# KiCad board imx8x_eps_leviathan.kicad_pcb (continued)
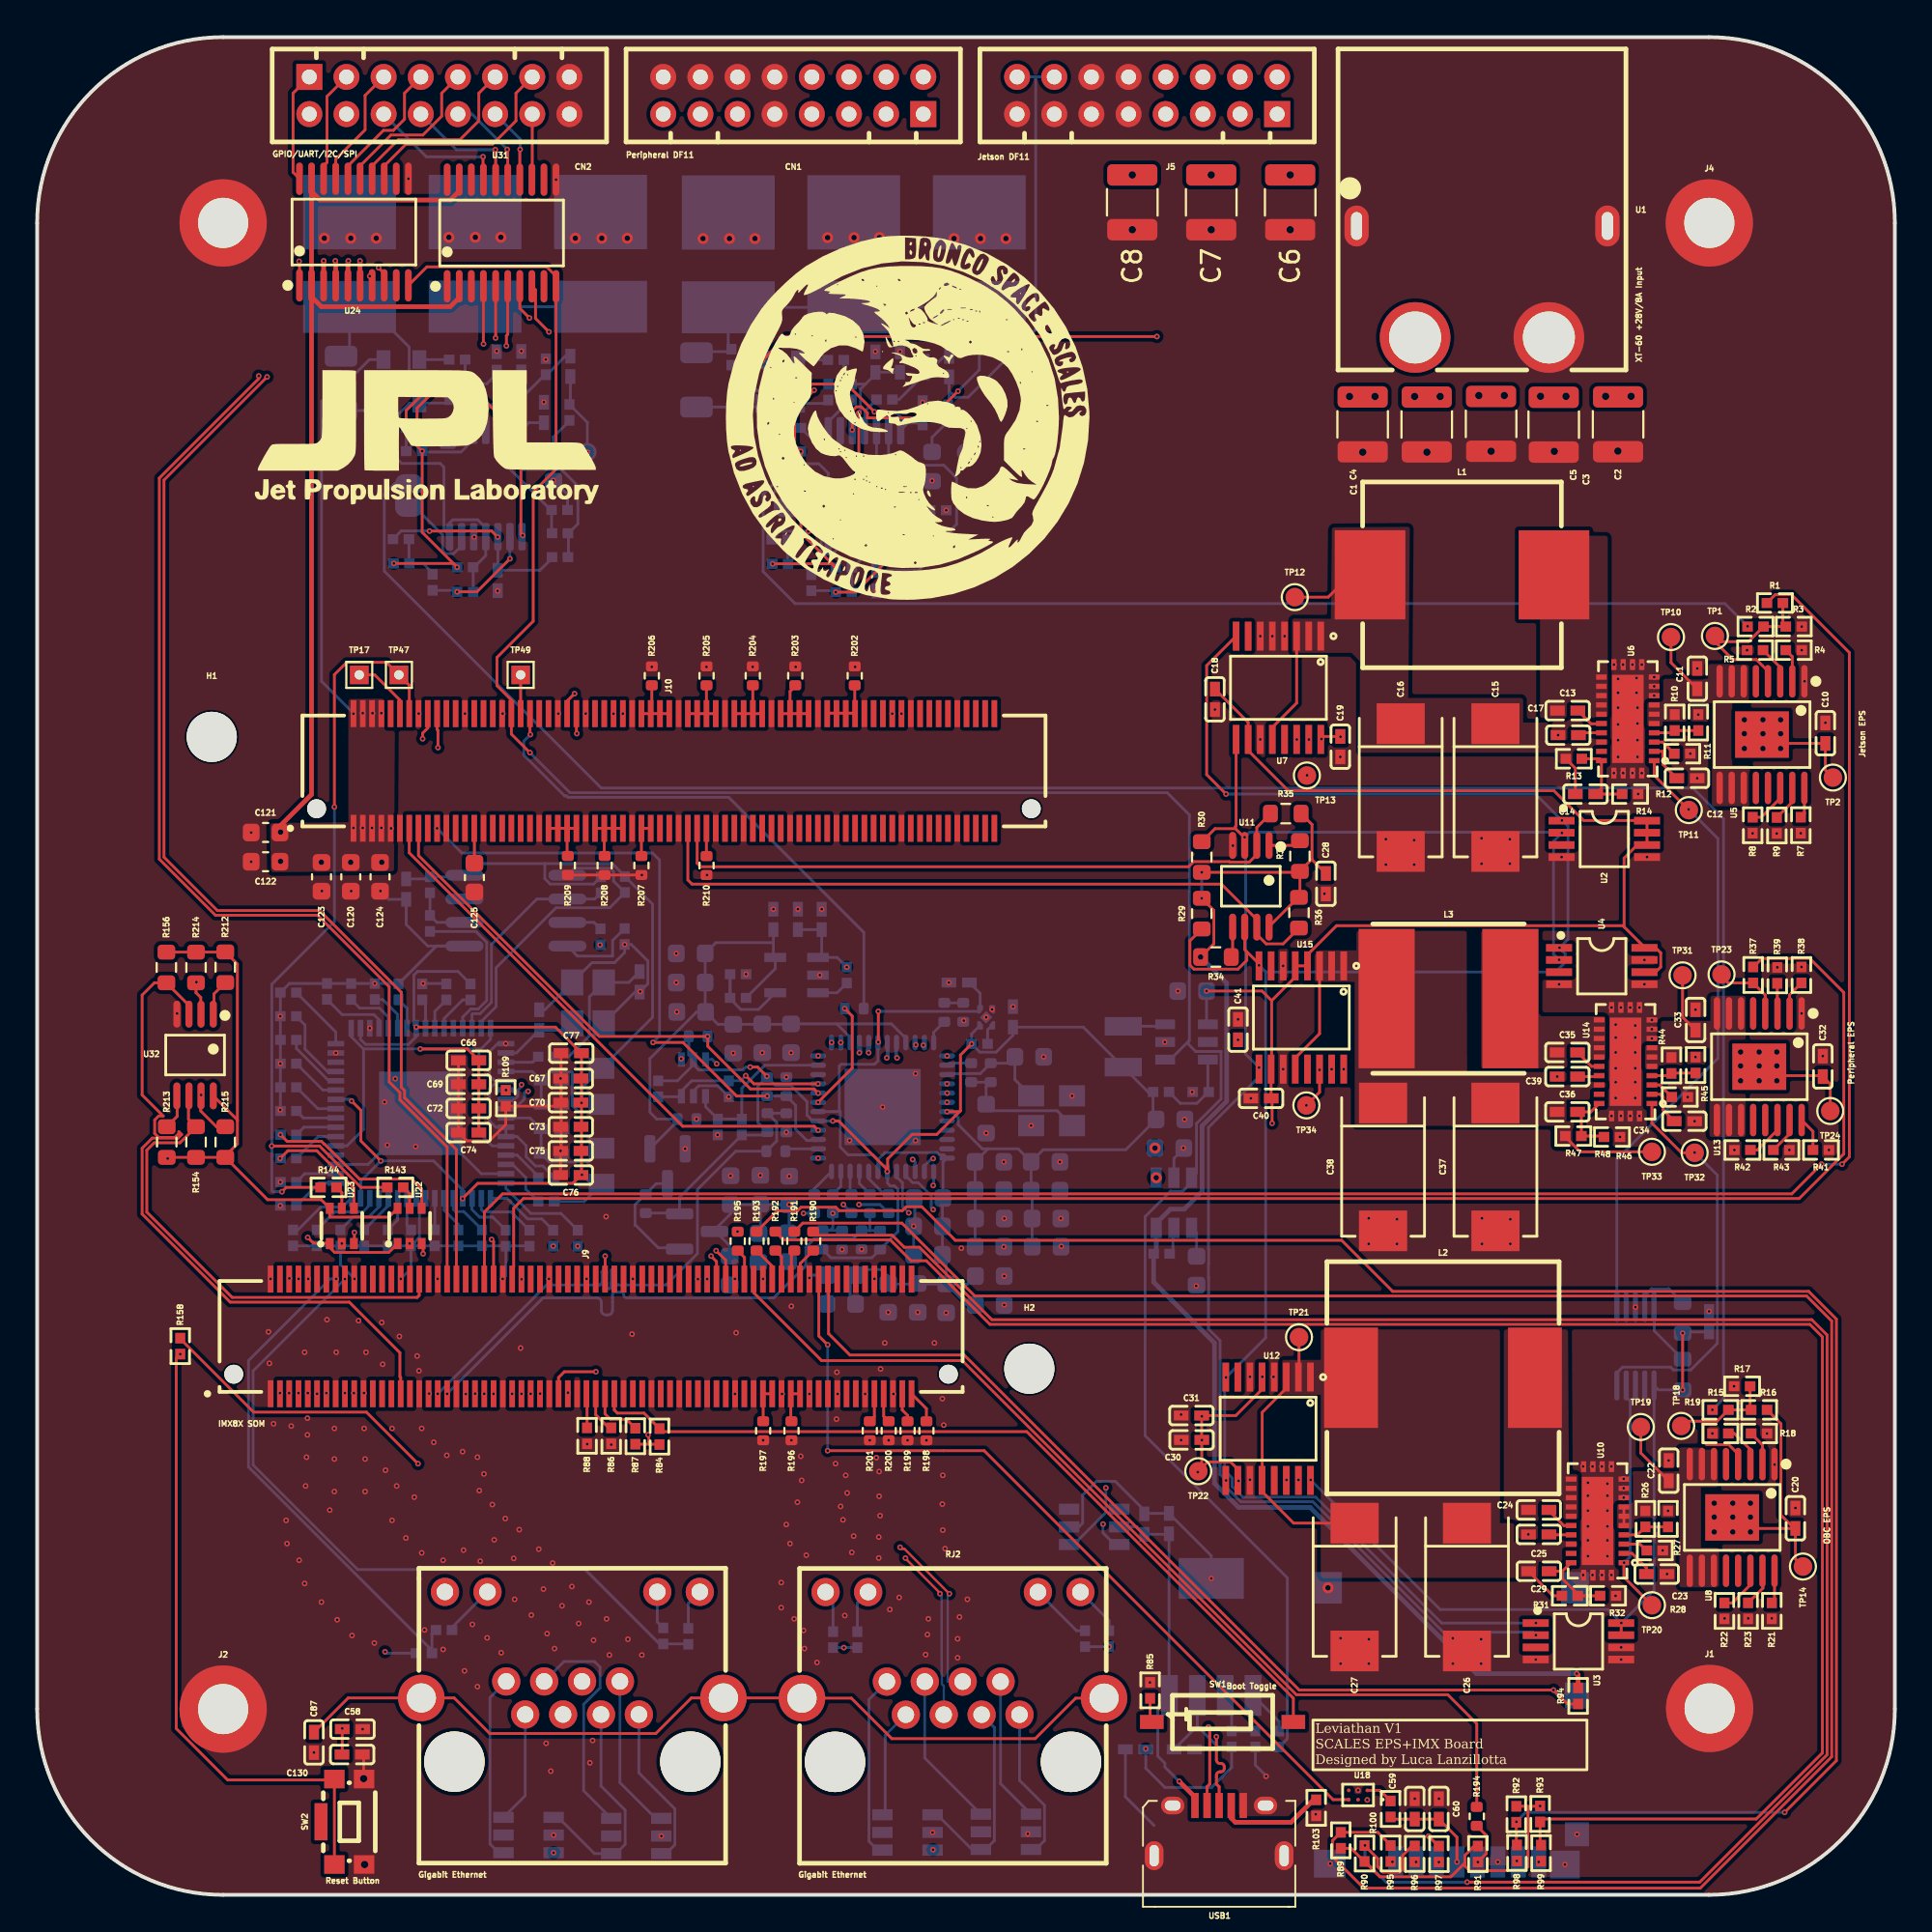
[diagram p0: board, top side]
## Routing (per net, layer and track width the routed paths; a pad name or vN(x,y) marks a point on that pad's centre or on a via; arc(x,y) is an arc through that point) (continued)
  SIG3 w0.15: U17.11 44.54,72.08 43.86,71.4 R82.2 ; 42.59,80.44 42.43,80.29 D9.1 40.43,80.29 39.47,79.32 39.47,77.57 40.01,77.04 42.08,77.04 42.59,76.53 U17.14 42.59,73.83 42.76,74 44.1,74 44.54,73.57 44.54,73.07
Net-(J9-A13): length 2
  SIG1 w0.15: 41.08,32.98 41.08,33.99 R190.2
Net-(J9-A14): length 1.6
  SIG1 w0.15: R191.2 40.6,34.53 40.6,33.13
Net-(J9-A15): length 1.7
  SIG1 w0.15: 40.08,33.13 40.08,34.35 R192.2
Net-(J9-A16): length 1.9
  SIG1 w0.15: R193.2 39.6,33.81 39.6,33.16
Net-(J9-A18): length 53.8
  SIG1 w0.15: R194.2 77.5,9.21 75.94,10.77 67.79,10.77 49.8,28.76 42.22,28.76 38.58,32.41 38.58,33.18
Net-(J9-A19): length 1.5
  SIG1 w0.15: R195.2 38.08,34.31 38.08,33.31
Net-(J9-B1): length 1.8
  SIG1 w0.15: R198.2 47.87,26.17 J9.02
Net-(J9-B2): length 1.6
  SIG1 w0.15: R199.2 46.85,25.81 46.57,26.1 J9.04
Net-(J9-B4): length 1.6
  SIG1 w0.15: R200.2 45.57,25.76 J9.08
Net-(J9-B5): length 1.6
  SIG1 w0.15: J9.10 45.07,25.74 R201.2
Net-(J9-B13): length 2
  SIG1 w0.15: J9.26 J9.28 40.57,25.53 R196.2
Net-(J9-B16): length 2
  SIG1 w0.15: J9.32 J9.34 39.08,26.96 R197.2
Net-(J10-C16): length 2.9
  SIG1 w0.15: 42.56,63.61 44.01,63.61 44.01,63.61 R202.2
Net-(J10-C21): length 3.1
  SIG1 w0.15: J10.45 40.53,64.78 40.83,65.08 ; J10.47 41.54,63.58
Net-(J10-C26): length 2.9
  SIG1 w0.15: 38.52,63.69 38.52,63.69 R204.2 ; J10.57 39.03,63.58
Net-(J10-C31): length 3
  SIG1 w0.15: J10.63 36.03,65.11 36.03,65.11 ; J10.67 36.54,63.58
Net-(J10-C36): length 3
  SIG1 w0.15: 33.08,63.66 33.09,63.66 R206.2 ; J10.77 34.05,63.58
Net-(J10-D32): length 1.5
  SIG1 w0.15: 36.03,55.94 36.03,55.94 J10.64
Net-(J10-D38): length 2
  SIG1 w0.15: 33.06,57.44 33.03,57.41 J10.78 32.53,55.97 32.53,55.96
Net-(J10-D41): length 3.1
  SIG1 w0.15: J10.88 31.56,57.41 31.59,57.39 ; J10.86 30.53,55.96 30.57,55.91
Net-(J10-D46): length 3.1
  SIG1 w0.15: 29.1,57.44 29.07,57.41 J10.98 ; 28.54,55.91 28.53,55.92 J10.94
Net-(JP1-A): length 5.6
  SIG3 w0.15: 22.86,73.14 22.86,72.64 22.42,72.19 21.98,72.19 21.82,72.35 21.82,73.21 20.36,74.68 JP1.1 ; 22.86,73.58 22.86,73.04
Net-(JP2-A): length 5.6
  SIG3 w0.15: 43.25,73.56 43.25,73.02 ; 43.25,73.12 43.25,72.62 42.8,72.18 42.37,72.18 42.21,72.33 42.21,73.2 40.75,74.66 JP2.1
Net-(Q1-D): length 26.5
  GND2 w0.15: v1(40.48,37.16) 41.71,38.39 41.71,44.82 v1(42.04,45.16) 42.04,45.62 42.66,46.23 47.91,46.23 v1(48.98,45.16)
  SIG3 w0.15: C114.1 38.93,35.71 C118.1 ; C116.1 40.48,35.69 C117.1 40.46,37.16 C119.1 37.33,36.66 36.45,35.78 37.27,34.96 37.27,34.38
Net-(Q1-G): length 6.2
  SIG3 w0.15: 34.57,34.83 33.44,34.83 32.23,36.03 32.18,36.03 32.18,37.14 R185.2 33.32,38.28 Q2.3
Net-(R9-Pad1): length 1.9
  SIG1 w0.15: R9.1 94.48,58.83 U5.15
Net-(R23-Pad1): length 2
  SIG1 w0.15: 92.9,17.41 92.9,16.52 R23.1
Net-(R43-Pad2): length 2
  SIG1 w0.15: U13.15 94.33,40.97 R43.2
Net-(R50-Pad1): length 2.8
  SIG3 w0.15: 21.34,71.11 20.78,71.67 R50.1 ; 20.07,71.72 20.01,71.77 R51.2
Net-(R58-Pad2): length 3.3
  SIG3 w0.15: 22.86,78.88 22.86,78.36 22.42,77.92 21.79,77.92 R58.2
Net-(R60-Pad2): length 2.3
  SIG3 w0.15: R60.2 23.37,80.48 22.2,79.31 22.2,78.78
Net-(R68-Pad1): length 2.8
  SIG3 w0.15: 40.45,71.7 40.4,71.76 R69.2 ; 41.72,71.09 41.16,71.65 R68.1
Net-(R76-Pad2): length 3.3
  SIG3 w0.15: 43.25,78.86 43.25,78.34 42.8,77.9 42.18,77.9 R76.2
Net-(R78-Pad2): length 2.3
  SIG3 w0.15: 42.59,78.76 42.59,79.29 43.76,80.47 R78.2
Net-(R85-Pad2): length 1.3
  SIG1 w0.15: SW1.1 59.91,9.4 R85.2
Net-(R176-Pad2): length 1
  SIG3 w0.15: R176.2 R177.1
Net-(RJ1-L-): length 2.2
  SIG3 w0.15: RJ1.9 35.05,15.69 R160.1
Net-(RJ1-R-): length 2.8
  SIG3 w0.15: R159.2 22.33,14.4 RJ1.11
Net-(RJ2-L-): length 2.7
  SIG3 w0.15: RJ2.9 57.7,14.76 R164.1
Net-(RJ2-R-): length 2.4
  SIG3 w0.15: RJ2.11 44.15,15.72 R163.2
Net-(U5-DIA_EN): length 1.7
  SIG1 w0.15: R7.1 95.13,58.2 U5.16
Net-(U5-EN): length 10.2
  SIG1 w0.15: R1.2 93.97,68.42 94.13,68.27 R2.1 92.12,67.46 90.62,67.46 TP1.1 90.32,67.46 91.28,66.49 92.55,66.49 93.21,65.83 93.21,65.12
Net-(U5-LATCH): length 2.2
  SIG1 w0.15: R5.1 93.87,66.04 93.87,65.22
Net-(U5-SEL1): length 2.5
  SIG1 w0.15: R8.1 92.81,58.01 93.83,59.03 U5.14
Net-(U5-SNS): length 2
  SIG1 w0.15: 94.48,65.12 94.48,66.65 R4.2
Net-(U5-VOUT): length 3.4
  SIG1 w0.15: TP10.1 87.95,66.33 89.37,64.92
Net-(U6-BIAS): length 11.7
  SIG1 w0.15: C14.1 82.8,60.65 R13.1 ; 70.7,71.06 69.5,69.86 TP12.1 ; U7.12 66.49,62.85 67.8,64.16 U7.1
Net-(U6-BST): length 1.6
  SIG1 w0.15: 84.26,63.04 83.65,63.04 C13.1
Net-(U6-EN/UV): length 2.4
  SIG1 w0.15: U6.4 88.03,62.55 R10.2 R11.1
Net-(U6-FB): length 4.4
  SIG1 w0.15: R14.1 C14.2 84.21,59.56 U6.24 84.1,61.16 R13.2
Net-(U6-INTVCC): length 1.3
  SIG1 w0.15: U6.21 83.06,62.55 82.99,62.48
Net-(U6-RT): length 1.3
  SIG1 w0.15: R12.1 87.5,62.05 U6.3
Net-(U6-TR/SS): length 2.2
  SIG1 w0.15: C12.1 87.51,60.86 87.51,61.53 87.49,61.55 U6.2
Net-(U8-DIA_EN): length 1.8
  SIG1 w0.15: 93.38,15.74 93.52,15.89 U8.16
Net-(U8-EN): length 9.1
  SIG1 w0.15: 92.26,26.11 92.21,26.16 R17.2 ; R16.1 R15.1 90.43,25.5 89.67,25.5 ; 89.67,25.5 88.8,25.5 88.55,25.24 ; 89.67,25.5 89.67,24.44 89.87,24.24 91.06,24.24 91.55,23.75 91.55,23.26
Net-(U8-LATCH): length 2.4
  SIG1 w0.15: U8.3 92.22,23.97 91.36,24.84 90.99,24.84
Net-(U8-SEL1): length 2.5
  SIG1 w0.15: R22.1 91.25,15.71 92.23,16.69 92.23,17.41
Net-(U8-SNS): length 1.9
  SIG1 w0.15: 92.26,24.84 92.87,24.22 U8.2
Net-(U9-MOD): length 3.2
  SIG3 w0.15: R24.2 87.83,32.63 86.91,32.63 86.53,32.25 86.53,31.59
Net-(U9-SET): length 3.7
  SIG3 w0.15: 88.49,28.83 R25.2 87.05,30.36 87.05,31.79
Net-(U10-BIAS): length 17
  SIG1 w0.15: U12.1 67.24,27.27 65.94,25.97 65.94,22.25 ; U12.12 65.93,21.71 67.63,20.01 70.92,20.01 ; TP21.1 67.93,27.88 67.88,27.83 ; 80.28,17.42 81.6,16.1 R31.1
Net-(U10-BST): length 1.6
  SIG1 w0.15: 81.34,20.72 82.18,19.88 U10.20
Net-(U10-EN/UV): length 2.6
  SIG1 w0.15: R26.2 86.14,19.38 U10.4 ; R27.1 86.52,19.81
Net-(U10-FB): length 4.2
  SIG1 w0.15: C25.2 82.11,17.42 ; 82.11,17.42 82.11,17.01 83.02,16.1 84.14,16.1 ; 82.11,17.42 82.56,17.88
Net-(U10-INTVCC): length 1.2
  SIG1 w0.15: U10.21 81.41,19.38 81.39,19.4
Net-(U10-RT): length 1.3
  SIG1 w0.15: 86.62,18.54 86.28,18.88 U10.3
Net-(U10-TR/SS): length 1.9
  SIG1 w0.15: 86.62,17.27 86.62,17.61 85.85,18.38 U10.2
Net-(U10-VIN): length 4.5
  SIG1 w0.15: 85.43,19.86 85.41,19.87 U10.5 ; C22.1 86.33,23.78 TP19.1
Net-(U11-EN): length 1.8
  SIG1 w0.15: U11.1 67.69,56.49 67.97,56.78
Net-(U11-READY): length 1.7
  SIG1 w0.15: U11.5 64.35,50.47 64.32,50.43
Net-(U13-DIA_EN): length 1.9
  SIG1 w0.15: R41.2 95.59,41.1 U13.16
Net-(U13-EN): length 3.9
  SIG1 w0.15: U13.4 93.02,48.44 R37.1 91.03,49.09 90.57,49.55
Net-(U13-LATCH): length 1.6
  SIG1 w0.15: R39.2 93.67,47.46 U13.3
Net-(U13-SEL1): length 2.4
  SIG1 w0.15: U13.14 93.68,41.17 92.61,40.1 R42.2
Net-(U13-SNS): length 1.9
  SIG1 w0.15: U13.2 94.33,48.45 R38.2
Net-(U13-VOUT): length 3.2
  SIG1 w0.15: TP31.1 88.57,47.25 C33.1
Net-(U14-BIAS): length 11.1
  SIG1 w0.15: TP33.1 83.07,40 82.26,40.8 R47.1 ; U15.12 67.72,45.05 69.03,46.36 U15.1
Net-(U14-BST): length 1.5
  SIG1 w0.15: U14.20 83.67,44.6 C35.1
Net-(U14-EN/UV): length 2.4
  SIG1 w0.15: U14.4 87.85,44.1 R44.2 87.99,44.24 R45.1
Net-(U14-FB): length 4.2
  SIG1 w0.15: 83.12,41.97 82.94,42.15 ; R48.1 84.29,40.85 R47.2 83.12,41.95 C36.2 83.63,42.15 U14.24
Net-(U14-INTVCC): length 1.2
  SIG1 w0.15: C39.1 84.03,44.05 U14.21
Net-(U14-RT): length 1.3
  SIG1 w0.15: U14.3 87.34,43.6 R46.1
Net-(U14-TR/SS): length 2.2
  SIG1 w0.15: C34.1 87.53,42.24 87.53,42.93 87.36,43.1 U14.2
Net-(U16A--): length 1.9
  SIG3 w0.15: R57.1 24.18,79.9 24.18,78.88
Net-(U16B-+): length 11.9
  SIG1 w0.15: v1(19.86,78.98) 19.86,79.9 21.3,81.34 23.2,81.34 v1(24.69,79.85)
  SIG3 w0.15: 19.86,77.66 19.87,77.67 R58.1 ; v1(24.69,79.85) 25.82,79.85 26.1,79.57 U16.7 ; 26.06,78.83 26.48,79.25 C46.2
Net-(U16B--): length 9.8
  SIG3 w0.15: 28.6,71.97 28.6,73.29 29.11,73.8 29.11,75.83 28.21,76.73 26.14,76.73 25.45,77.41 U16.6
Net-(U16C-+): length 6.1
  SIG1 w0.15: v1(22.61,70.15) 23.67,70.15 v1(25.45,71.92)
  SIG3 w0.15: v1(25.45,71.92) 25.45,71.92 U16.9 ; 22.61,70.09 22.48,70.22 R61.2
Net-(U16C--): length 14.5
  SIG1 w0.15: v1(26.04,81.18) 26.04,73.28 v1(26.14,73.18)
  SIG3 w0.15: 23.52,81.37 23.49,81.34 R63.1 ; R62.1 23.04,81.81 23.42,81.42 ; C48.2 24.84,81.98 24.21,81.34 R60.1 ; C48.2 26.06,81.2 v1(26.04,81.18) ; C48.2 26.11,81.93
Net-(U16D--): length 11
  SIG1 w0.15: v1(24.79,73.09) 24.47,73.42 21.97,73.42 21.96,73.41 v1(21.12,73.41)
  SIG3 w0.15: 27.74,71.97 27.07,71.3 C49.2 ; 24.84,71.31 24.8,71.36 U16.10 ; v1(21.12,73.41) 21.11,73.42 19.6,73.42 R51.1
Net-(U17A--): length 1.9
  SIG3 w0.15: 44.57,78.86 44.57,79.88 R75.1
Net-(U17B-+): length 11.9
  SIG1 w0.15: v1(45.07,79.83) 43.58,81.32 41.69,81.32 40.25,79.88 v1(40.25,78.97)
  SIG3 w0.15: 40.25,77.65 40.25,77.65 R76.1 ; 46.45,78.81 46.86,79.23 C54.2 ; U17.7 46.49,79.55 46.21,79.83 v1(45.07,79.83)
Net-(U17B--): length 10.1
  SIG3 w0.15: 48.99,71.96 48.99,73.28 49.49,73.78 49.49,76.27 48.8,76.96 46.27,76.96 45.84,77.39 U17.6
Net-(U17C-+): length 6.1
  SIG1 w0.15: v1(45.84,71.91) 44.06,70.13 v1(42.99,70.13)
  SIG3 w0.15: 42.99,70.08 42.86,70.21 R79.2 ; v1(45.84,71.91) 45.84,71.91 U17.9
Net-(U17C--): length 15
  SIG1 w0.15: v1(44.23,79.77) 44.23,75.3 v1(46.52,73.02)
  SIG3 w0.15: 46.5,81.91 C56.2 45.23,81.96 44.59,81.33 ; R81.1 43.88,81.33 43.91,81.35 ; 44.59,81.33 44.32,81.05 44.32,79.86 v1(44.23,79.77) ; 44.59,81.33 R78.1 ; R80.1 43.42,81.79 43.8,81.4
Net-(U17D--): length 11
  SIG1 w0.15: v1(41.5,73.4) 41.51,73.4 44.85,73.4 v1(45.18,73.07)
  SIG3 w0.15: v1(41.5,73.4) 41.5,73.4 39.98,73.4 R69.1 ; 45.23,71.3 45.19,71.34 U17.10 ; 48.12,71.96 47.45,71.29 C57.2
Net-(U17E-V+): length 32.5
  SIG1 w0.15: v1(43.88,78.86) 43.88,79.88 44.1,80.1 44.37,80.1 44.69,79.77 44.69,79.5 48.13,79.5 v1(49.56,80.94)
  SIG3 w0.15: v1(49.56,80.94) 50.71,82.09 C51.1 ; 44.03,85.41 43.98,85.46 C52.1 ; 43.91,78.35 43.91,78.92 ; C52.1 37.2,83.45 37.37,83.28 37.37,83.23 37.22,83.07 35.44,83.07 ; C52.1 38.25,85.46 ; C50.1 50.92,85.47 ; 44.05,85.46 44.06,85.47
Net-(U19-CS): length 16.3
  SIG3 w0.15: U19.1 28.92,55.26 30.85,55.26 31.03,55.08 31.03,54.57 R104.1 30.82,53.13 27.93,53.13 24.7,49.9 24.7,47.81 23.91,47.01 U20.63
Net-(U19-DI): length 1.9
  SIG3 w0.15: R102.1 29.98,52.35 U19.3
Net-(U19-DO): length 4.4
  SIG3 w0.15: U19.4 29.08,50.53 30.98,50.53 30.98,51.37 R105.2
Net-(U19-ORG): length 3.2
  SIG3 w0.15: R107.1 R108.2 21.52,52.35 U19.6
Net-(U19-SK): length 12.2
  SIG3 w0.15: R106.1 30.01,53.61 U19.2 26.9,53.61 24.45,51.16 24.45,48.04 23.85,47.43 23.44,47.43 23.41,47.4 U20.62
Net-(U20-ACBUS0): length 1.8
  SIG3 w0.15: R120.2 19.91,36.02 U20.26
Net-(U20-ACBUS1): length 1.9
  SIG3 w0.15: R121.2 19.41,36.33 U20.27
Net-(U20-ACBUS2): length 2.2
  SIG3 w0.15: U20.28 18.91,37.1 R122.2
Net-(U20-ACBUS3): length 3
  SIG3 w0.15: U20.29 18.41,37.04 17.88,36.51 17.04,36.51 R123.2
Net-(U20-ACBUS4): length 3.8
  SIG3 w0.15: R124.2 16.01,36.76 17.53,36.76 17.91,37.14 U20.30
Net-(U20-ACBUS5): length 3.8
  SIG3 w0.15: R125.2 14.04,35.8 15.28,37.03 16.45,37.03 U20.32
Net-(U20-ACBUS6): length 2.6
  SIG3 w0.15: R126.2 15.18,38.32 16.08,38.32
Net-(U20-ACBUS7): length 2.3
  SIG3 w0.15: 16.08,38.82 14.41,38.82 R127.2
Net-(U20-ADBUS0): length 5.1
  SIG3 w0.15: U20.16 25.24,38.02 26.57,36.68 28.19,36.68 R113.2
Net-(U20-ADBUS1): length 4.1
  SIG3 w0.15: R114.2 27.17,36.38 26.4,36.38 25.29,37.49 U20.17
Net-(U20-ADBUS2): length 3.7
  SIG3 w0.15: R115.2 25.52,36.76 24.04,36.76 23.91,36.89 U20.18
Net-(U20-ADBUS3): length 2.9
  SIG3 w0.15: R116.2 24.52,36.48 23.81,36.48 23.41,36.89 U20.19
Net-(U20-ADBUS4): length 2.6
  SIG3 w0.15: R117.2 22.96,36.78 22.51,36.78 22.41,36.89 U20.21
Net-(U20-ADBUS5): length 2
  SIG3 w0.15: R118.2 22.68,36.08 21.91,36.85 U20.22
Net-(U20-ADBUS6): length 1.7
  SIG3 w0.15: U20.23 21.41,35.8 R119.2
Net-(U20-BCBUS0): length 3.6
  SIG3 w0.15: 16.08,45.82 16.08,46.45 R135.2
Net-(U20-BCBUS1): length 3.7
  SIG3 w0.15: R136.2 16.42,47.38 18.12,47.38 18.41,47.1 U20.52
Net-(U20-BCBUS2): length 3
  SIG3 w0.15: R137.2 17.36,47.73 18.42,47.73 18.91,47.25 U20.53
Net-(U20-BCBUS3): length 2.3
  SIG3 w0.15: U20.54 19.41,47.39 18.6,48.2 R138.2
Net-(U20-BCBUS4): length 1.7
  SIG3 w0.15: R139.2 19.91,47.73 U20.55
Net-(U20-BCBUS5): length 1.6
  SIG3 w0.15: R140.2 20.91,48 U20.57
Net-(U20-BCBUS6): length 1.8
  SIG3 w0.15: U20.58 21.41,47.56 R141.2
Net-(U20-BCBUS7): length 2.4
  SIG3 w0.15: U20.59 21.91,47.18 22.91,48.18 R142.2
Net-(U20-BDBUS0): length 2.6
  SIG3 w0.15: 16.08,40.82 15.13,40.82 R128.2
Net-(U20-BDBUS1): length 2.3
  SIG3 w0.15: R129.2 14.36,41.32 16.08,41.32
Net-(U20-BDBUS2): length 2.3
  SIG3 w0.15: R130.2 14.33,41.82 16.08,41.82
Net-(U20-BDBUS3): length 2.6
  SIG3 w0.15: R131.2 15.11,42.32 16.08,42.32
Net-(U20-BDBUS4): length 2.7
  SIG3 w0.15: 16.08,43.32 15.38,43.32 R132.2
Net-(U20-BDBUS5): length 3.3
  SIG3 w0.15: R133.2 13.96,45.56 15.7,43.82 16.08,43.82
Net-(U20-BDBUS6): length 4.1
  SIG3 w0.15: R134.2 14.42,46.83 14.42,45.53 15.62,44.32 16.08,44.32
Net-(U20-EEDATA): length 8.7
  SIG3 w0.15: U20.61 22.91,47.25 23.34,47.68 23.74,47.68 24.2,48.14 24.2,51.27 23.61,51.86 R108.1
Net-(U20-OSCO): length 1.9
  SIG3 w0.15: R111.1 26.67,44.82 U20.3
Net-(U20-REF):
  vias: v1(25.24,43.32)
Net-(U20-TEST): length 2.3
  SIG3 w0.15: R110.2 26.98,38.68 25.84,39.82 U20.13
Net-(U20-VPHY): length 8.9
  SIG3 w0.15: C62.2 26.65,44.32 U20.4 ; C62.2 27.57,44.29 28.8,44.29 28.8,44.29 28.8,42.48 29.13,42.16 29.98,42.16 L5.2 ; C62.2 27.13,43.84 C64.2
Net-(U20-VPLL): length 7.2
  SIG3 w0.15: L4.2 29.64,39.45 27.57,39.45 C61.2 C63.2 26.53,41.82 U20.9
Net-(U20-~{RESET}): length 2.9
  SIG3 w0.15: R112.1 26.3,37.99 26.3,38.61 25.59,39.32 U20.14
Net-(U21-ADJ): length 3.3
  SIG3 w0.15: 63.95,10.73 64.3,10.38 R147.2 R146.2
Net-(U21-EN): length 2.5
  SIG3 w0.15: 65.45,10.73 66.85,9.33 R145.1
Net-(U22-OE): length 1.3
  SIG1 w0.15: R143.1 20.05,37.74 U22.5
Net-(U23-OE): length 1.2
  SIG1 w0.15: U23.5 16.4,37.8 R144.1
Net-(U24-B1): length 6
  SIG1 w0.15: U24.20 13.78,92.72 13.78,96.98 CN2.1
Net-(U24-B2): length 6
  SIG1 w0.15: U24.18 15.42,93.07 15.6,93.25 15.6,96.81 CN2.3
Net-(U24-B3): length 6.5
  SIG1 w0.15: CN2.5 17.65,96.86 17.65,95.01 16.07,93.43 U24.17
Net-(U24-B4): length 7.4
  SIG1 w0.15: U24.16 16.73,93.07 18.65,94.98 19.18,94.98 19.78,95.58 19.78,96.98 CN2.7
Net-(U24-B5): length 8.7
  SIG1 w0.15: U24.15 17.38,93.07 19.04,94.73 20.76,94.73 21.78,95.74 21.78,96.98 CN2.9
Net-(U24-B6): length 10.2
  SIG1 w0.15: U24.14 18.03,93.07 19.44,94.48 22.76,94.48 23.78,95.5 23.78,96.98 CN2.11
Net-(U24-B7): length 11.5
  SIG1 w0.15: CN2.13 25.78,96.98 25.78,95.5 24.51,94.23 19.84,94.23 18.68,93.07 U24.13
Net-(U25-RBIAS): length 1.4
  SIG3 w0.15: R176.1 48.26,46.43 U25.12
Net-(U25-RESET_N): length 6
  SIG1 w0.15: v1(43.47,47.71) 43.88,47.3 43.88,44.5 v1(42.03,42.66)
Net-(U25-RX_CLK): length 1.8
  SIG3 w0.15: R174.1 45.59,37.72 44.76,38.55 U25.32
Net-(U25-RX_CTRL): length 1.8
  SIG3 w0.15: R173.1 40.41,40.16 U25.38
Net-(U25-RX_D0): length 1.5
  SIG3 w0.15: U25.33 44.26,38.29 R169.1
Net-(U25-RX_D1): length 1.2
  SIG3 w0.15: R170.1 43.76,37.79 U25.34
Net-(U25-RX_D2): length 1.4
  SIG3 w0.15: U25.35 43.26,38.14 R171.1
Net-(U25-RX_D3): length 1.6
  SIG3 w0.15: U25.36 41.83,38.01 R172.1
Net-(U25-X_I): length 6.5
  SIG3 w0.15: Y3.1 52.63,43.88 C88.2 52.29,44.77 R168.1 50.77,44.21 49.03,44.21 U25.15
Net-(U25-X_O): length 1.3
  SIG3 w0.15: R175.2 49.09,44.77 U25.14
Net-(U26-ADJ): length 5.6
  SIG3 w0.15: U26.4 38.83,47.66 37.88,47.66 37.3,48.24 R155.2 37.3,48.29 R157.1
Net-(U26-EN): length 1.8
  SIG3 w0.15: U26.3 43.06,48.56 R148.2
Net-(U27-EN): length 1.1
  SIG3 w0.15: R151.2 51.16,46.57 U27.3 51.4,46.86
Net-(U29-CT): length 1.6
  SIG3 w0.15: C127.1 62.41,35.63 62.16,35.88
Net-(U29-QOD): length 1.5
  SIG3 w0.15: 61.14,35.93 61.14,34.66 60.99,34.51 R211.2
Net-(U30-FB): length 4.4
  SIG3 w0.15: 62.99,43.17 63.02,43.2 U30.6 ; R6.2 61.54,42.61 62.43,42.61 63.04,43.22
Net-(U30-SW): length 2.2
  SIG3 w0.15: 60.65,46.82 60.58,46.75 L6.1
Net-(U31-B3): length 7.5
  SIG1 w0.15: U31.17 24,92.35 v1(24,93.56)
  SIG3 w0.15: v1(24,93.56) 20.95,93.56 CN2.6
Net-(U31-B4): length 6.4
  SIG1 w0.15: U31.16 24.68,93.92 v1(24.66,93.94)
  SIG3 w0.15: v1(24.66,93.94) 22.57,93.94 CN2.8
Net-(U31-B5): length 5.1
  SIG1 w0.15: v1(25.3,93.96) 25.33,93.93 U31.15
  SIG3 w0.15: v1(25.3,93.96) 23.4,95.86 CN2.10
Net-(U31-B6): length 4.1
  SIG1 w0.15: U31.14 25.98,93.94 v1(26,93.96)
  SIG3 w0.15: v1(26,93.96) 26,94.51 CN2.12
Net-(U31-B7): length 3.5
  SIG1 w0.15: CN2.14 26.65,92.35 U31.13
Net-(U32-EN): length 2
  SIG1 w0.15: R212.2 9.52,48.5 9.52,47.34
Net-(U32-READY): length 1.9
  SIG1 w0.15: 7.54,43.02 7.54,41.91 R213.2

## Copper pours and planes (outline as drawn; the poured copper is in the pictures)
+3.3V_OBC on SIG1: 18.78,64.4 18.78,62.75 19.26,62.75 19.22,56.02 19.21,56.02 19.21,55.1 12.59,55.05 12.54,57.69 16.75,57.74 16.75,64.37
+3.3V_OBC on PWR: -1.05,-0.41 88.26,-0.45 88.39,41.82 40.7,41.73 40.7,102.29 -1.11,102.22
+5V_Perif on PWR: 40.83,102.48 40.78,94.86 40.85,41.86 88.43,41.9 88.43,59.46 51.78,59.3 51.72,102.46
+20V_Jetson on PWR: 51.97,102.53 51.9,59.56 88.18,59.56 88.18,79.75 69.71,79.76 69.69,102.53
GND on SIG1: -4.07,102.58 103.28,102.58 103.3,102.56 103.3,-1.12 103.23,-1.19 -4.17,-1.19 -4.17,102.48
GND on SIG3: 102.13,99.78 102.13,-0.72 -3.37,-0.72 -3.97,-0.12 -3.92,100.03
GND on GND1, GND2: -3.62,100.16 -3.52,-0.17 101.28,-0.58 101.64,100.82
GND on SIG2: 101.9,99.71 101.9,-0.79 -3.6,-0.79 -4.2,-0.19 -4.15,99.96
+V_Batt on PWR: 103.62,100.35 102.69,-0.56 88.51,-0.64 88.48,79.99 69.78,80.01 69.78,100.18
Net-(U5-VOUT) on SIG1: 86.65,62.86 86.7,62.81 87.5,62.81 87.5,63.16 88.75,63.16 88.8,63.21 88.8,64.16 90.16,64.15 90.15,58.6 92.2,58.6 92.2,60.8 91.25,60.8 91.25,64.2 92.15,64.2 92.15,66.26 90,66.26 89.95,66.21 89.95,65.51 89.91,65.47 87.5,65.47 87.5,64.26 86.65,64.26
Net-(U6-BIAS) on SIG1: 71.2,61.48 81.89,61.48 81.89,60.89 82.7,60.91 82.7,61.51 83.75,61.51 83.75,61.81 84.55,61.81 84.55,62.26 83.45,62.26 83.45,62.11 81.35,62.11 81.35,63.11 79.99,63.11 79.99,64.43 73.81,64.43 73.89,73.64 69.7,73.61 69.64,68.69 67.55,68.71 67.55,66.86 70.75,66.86 71.2,66.41
Net-(U6-SW) on SIG1: 80.9,73.16 84.55,73.16 84.55,63.31 83.6,63.31 83.6,64.11 82.35,64.11 82.35,63.36 80.9,63.36
Net-(U10-BIAS) on SIG1: 82.91,18.59 82.2,18.59 82.2,17.93 81.43,17.93 80.83,17.93 80.83,17.07 79.86,17.07 69.09,17.06 69.09,26.92 67.01,26.92 67.01,28.8 69.09,28.8 69.09,30.68 78.75,30.68 78.75,20.01 79.51,20.01 79.51,18.99 81.95,18.99 81.95,19.1 82.91,19.1
Net-(U10-SW) on SIG1: 82.15,20.11 82.15,21.18 80.83,21.18 80.83,20.11 78.9,20.11 78.96,30.68 82.4,30.68 82.45,22.65 82.96,22.65 82.96,20.11
Net-(U10-VIN) on SIG1: 88.4,16.56 88.4,21.23 87.18,21.23 87.18,20.21 85.96,20.21 85.96,19.71 84.94,19.71 84.94,21.13 85.76,21.13 85.86,21.23 85.86,22.81 88.38,22.81 88.38,24.08 90.48,24.07 90.48,21.94 89.57,21.94 89.57,18.69 90.53,18.69 90.53,16.56
Net-(U13-VOUT) on SIG1: 87.32,45.75 87.32,47.05 90.07,47.05 90.07,48.4 91.97,48.4 91.97,46 91.12,46 91.12,43.15 91.97,43.15 91.97,40.8 90.02,40.8 90.02,45.6 88.67,45.6 88.57,45.5 88.57,44.65 87.32,44.65 87.27,44.6 87.27,44.35 86.47,44.35 86.47,45.75
Net-(U14-BIAS) on SIG1: 68.72,50.85 68.72,49.15 70.87,49.15 70.92,49.1 70.92,41.4 81.67,41.4 81.67,40.25 82.72,40.25 82.72,41.65 82.32,41.65 82.32,42.75 82.37,42.8 83.72,42.8 83.72,43.25 83.82,43.35 84.47,43.35 84.47,43.85 83.47,43.85 83.47,43.65 81.07,43.65 81.27,43.45 81.27,44.35 81.22,44.4 76.98,44.33 76.95,52.11 71.02,52.1 71.02,50.85
Net-(U14-SW) on SIG1: 77.72,52.05 77.72,44.5 82.37,44.5 82.37,45.7 83.47,45.7 83.47,45.05 83.67,44.85 84.42,44.85 84.42,47.3 80.97,47.3 80.82,47.45 80.82,52.05

## Text on the board
B.Fab: 1k
B.Silkscreen: OBC WD | Jetson WD
F.Silkscreen: IMX8X SOM | GPIO/UART/I2C/SPI | Reset Button | Gigabit Ethernet | Peripheral DF11 | Jetson DF11 | Boot Toggle | XT-60 +28V/8A Input | OBC EPS | Peripheral EPS | Jetson EPS | 1 | Leviathan V1 / SCALES EPS+IMX Board / Designed by Luca Lanzillotta
